# Altium PCB Motherboard.PcbDoc
Units mil, origin at the board's own origin, x right, y up, seen from the top; angles counter-clockwise.
Board outline 5062.56 x 6140 mil, 4 copper layers (Top Copper Layer, Internal Copper Layer 1, Internal Copper Layer 2, Bottom Copper Layer), stack 62.205 mil thick; 18 components, 97 nets, 236 pads, 56 vias.
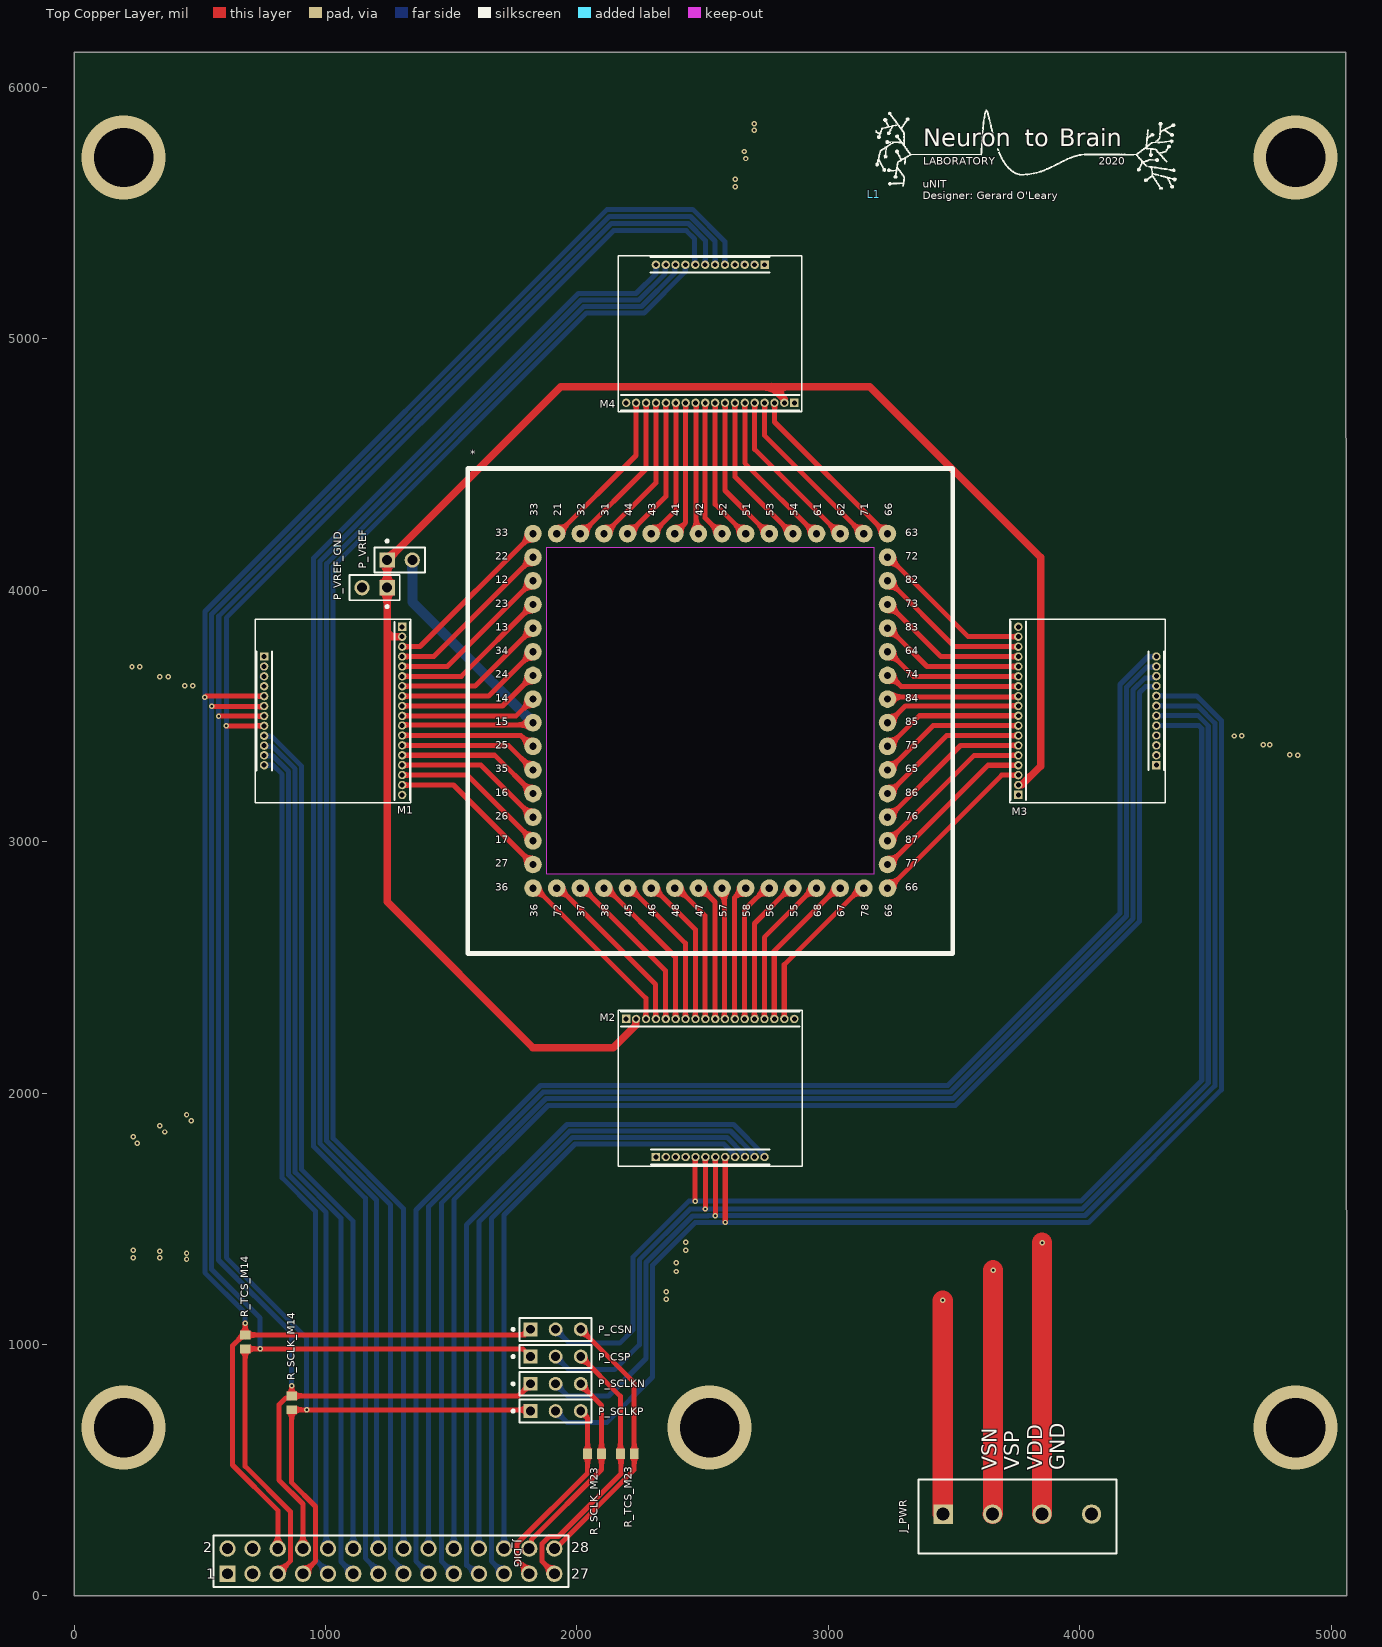
[diagram p0: Top Copper Layer view]
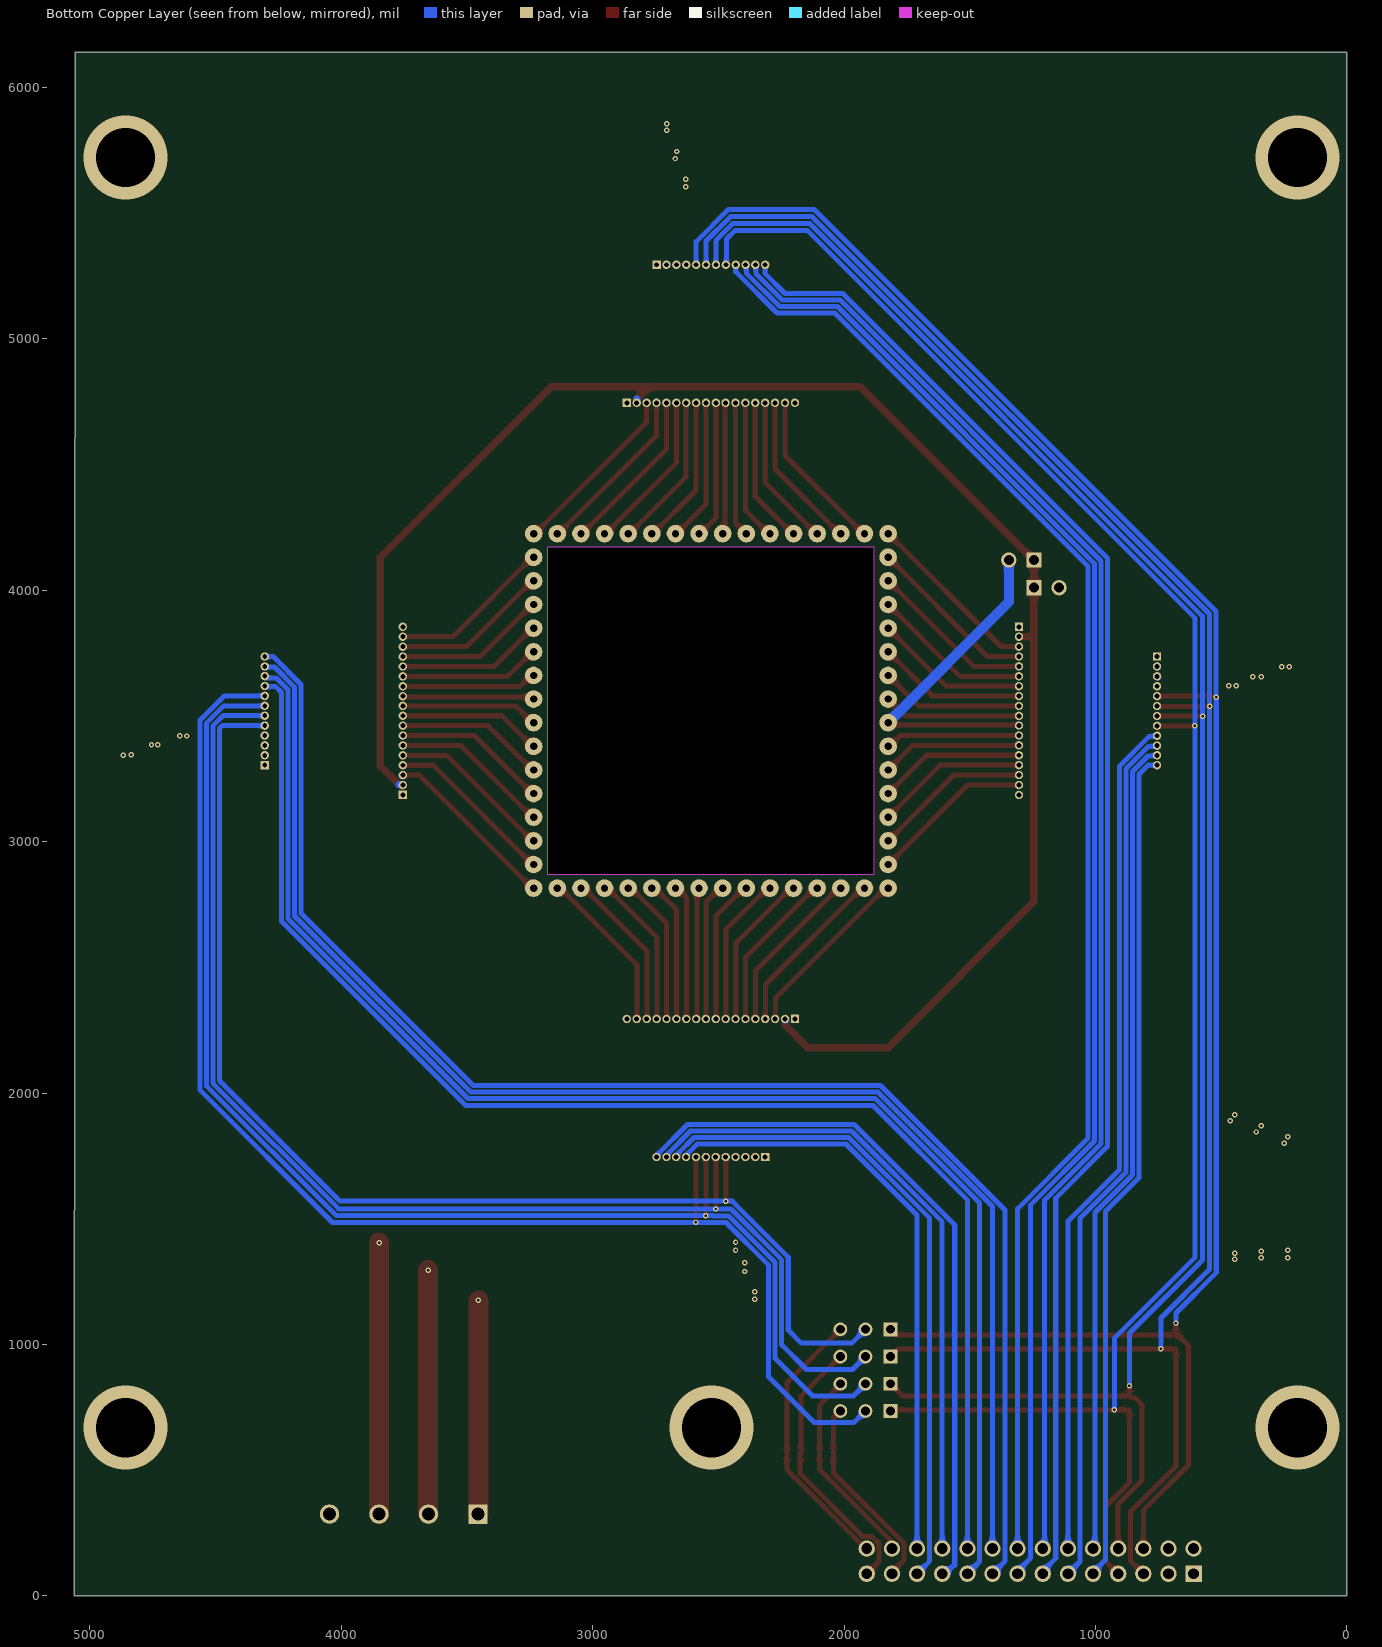
[diagram p1: Bottom Copper Layer view, seen from below]
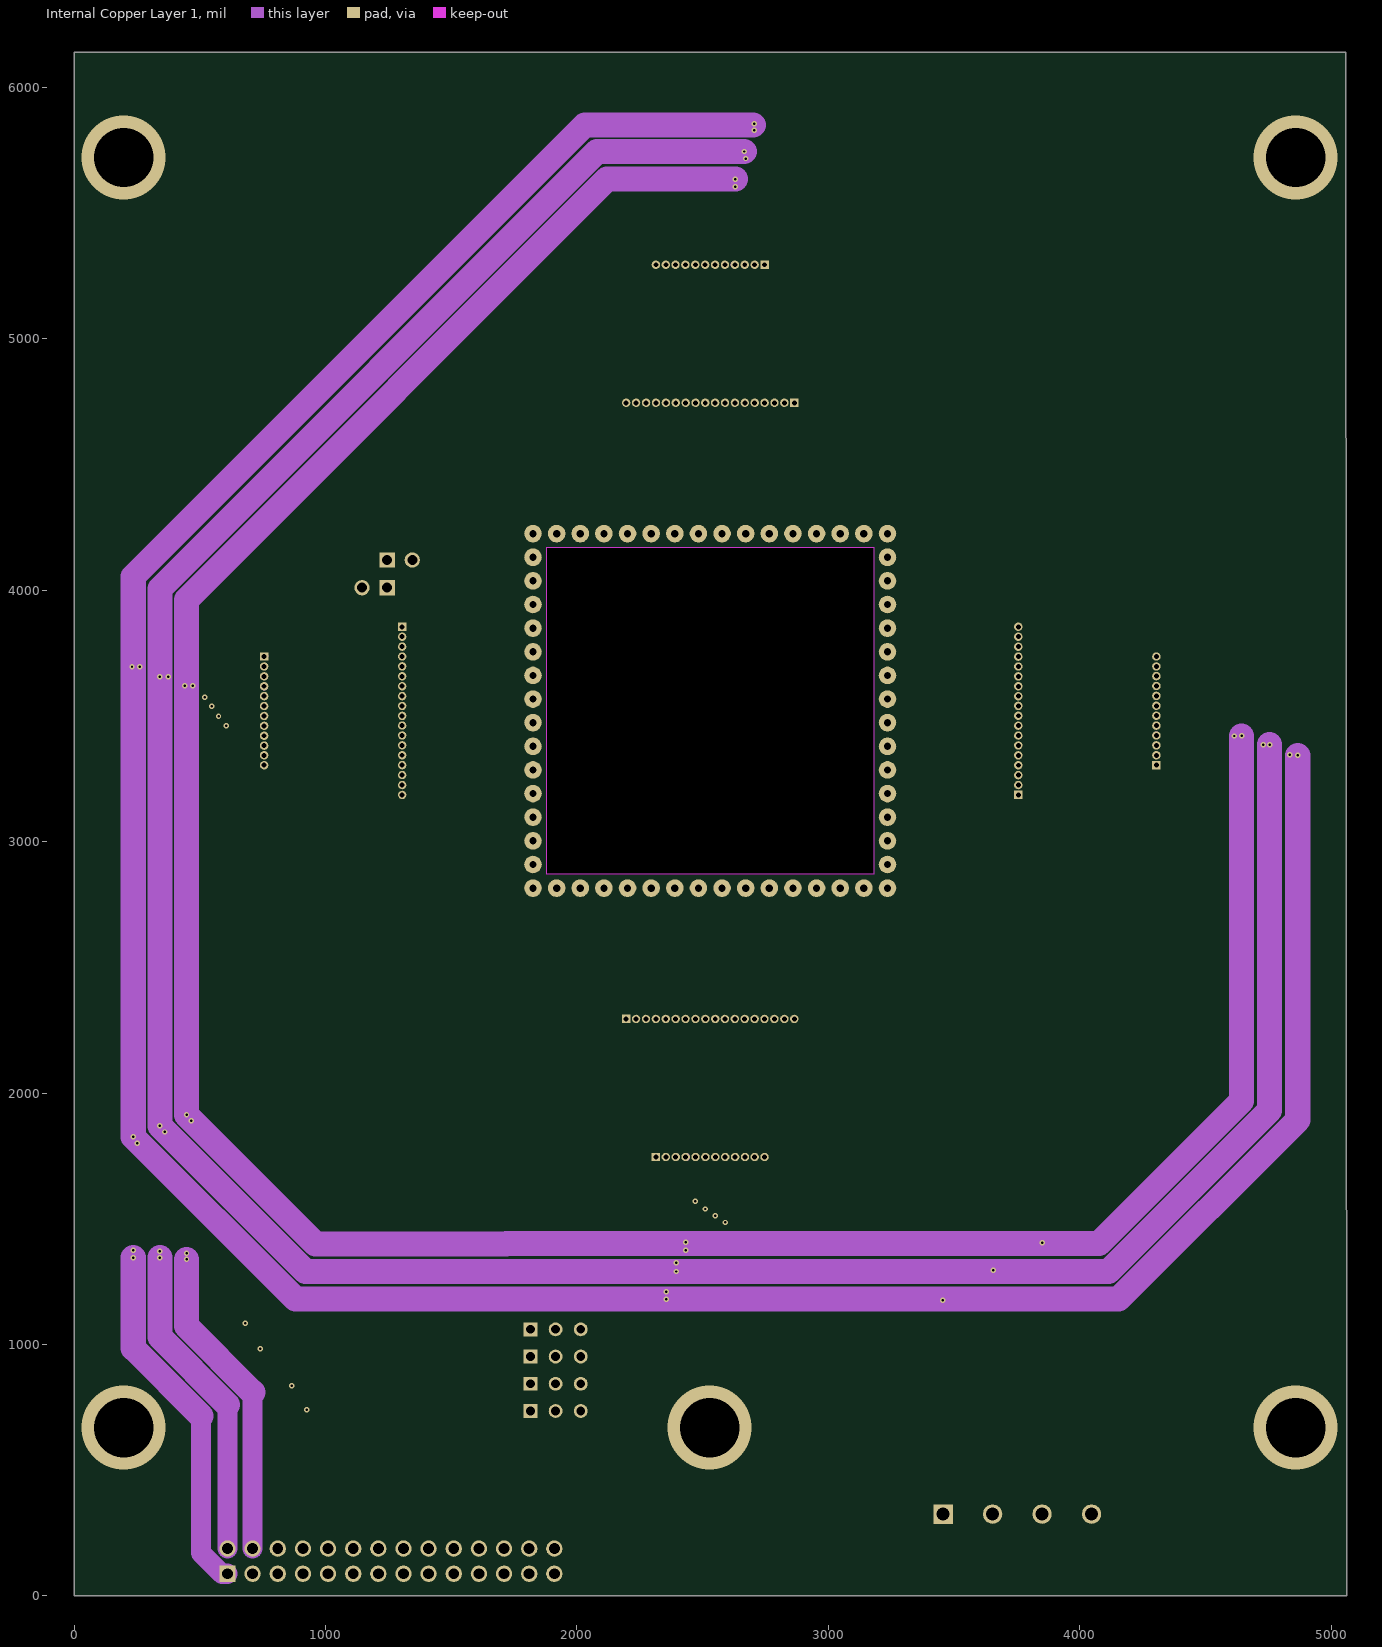
[diagram p2: Internal Copper Layer 1]
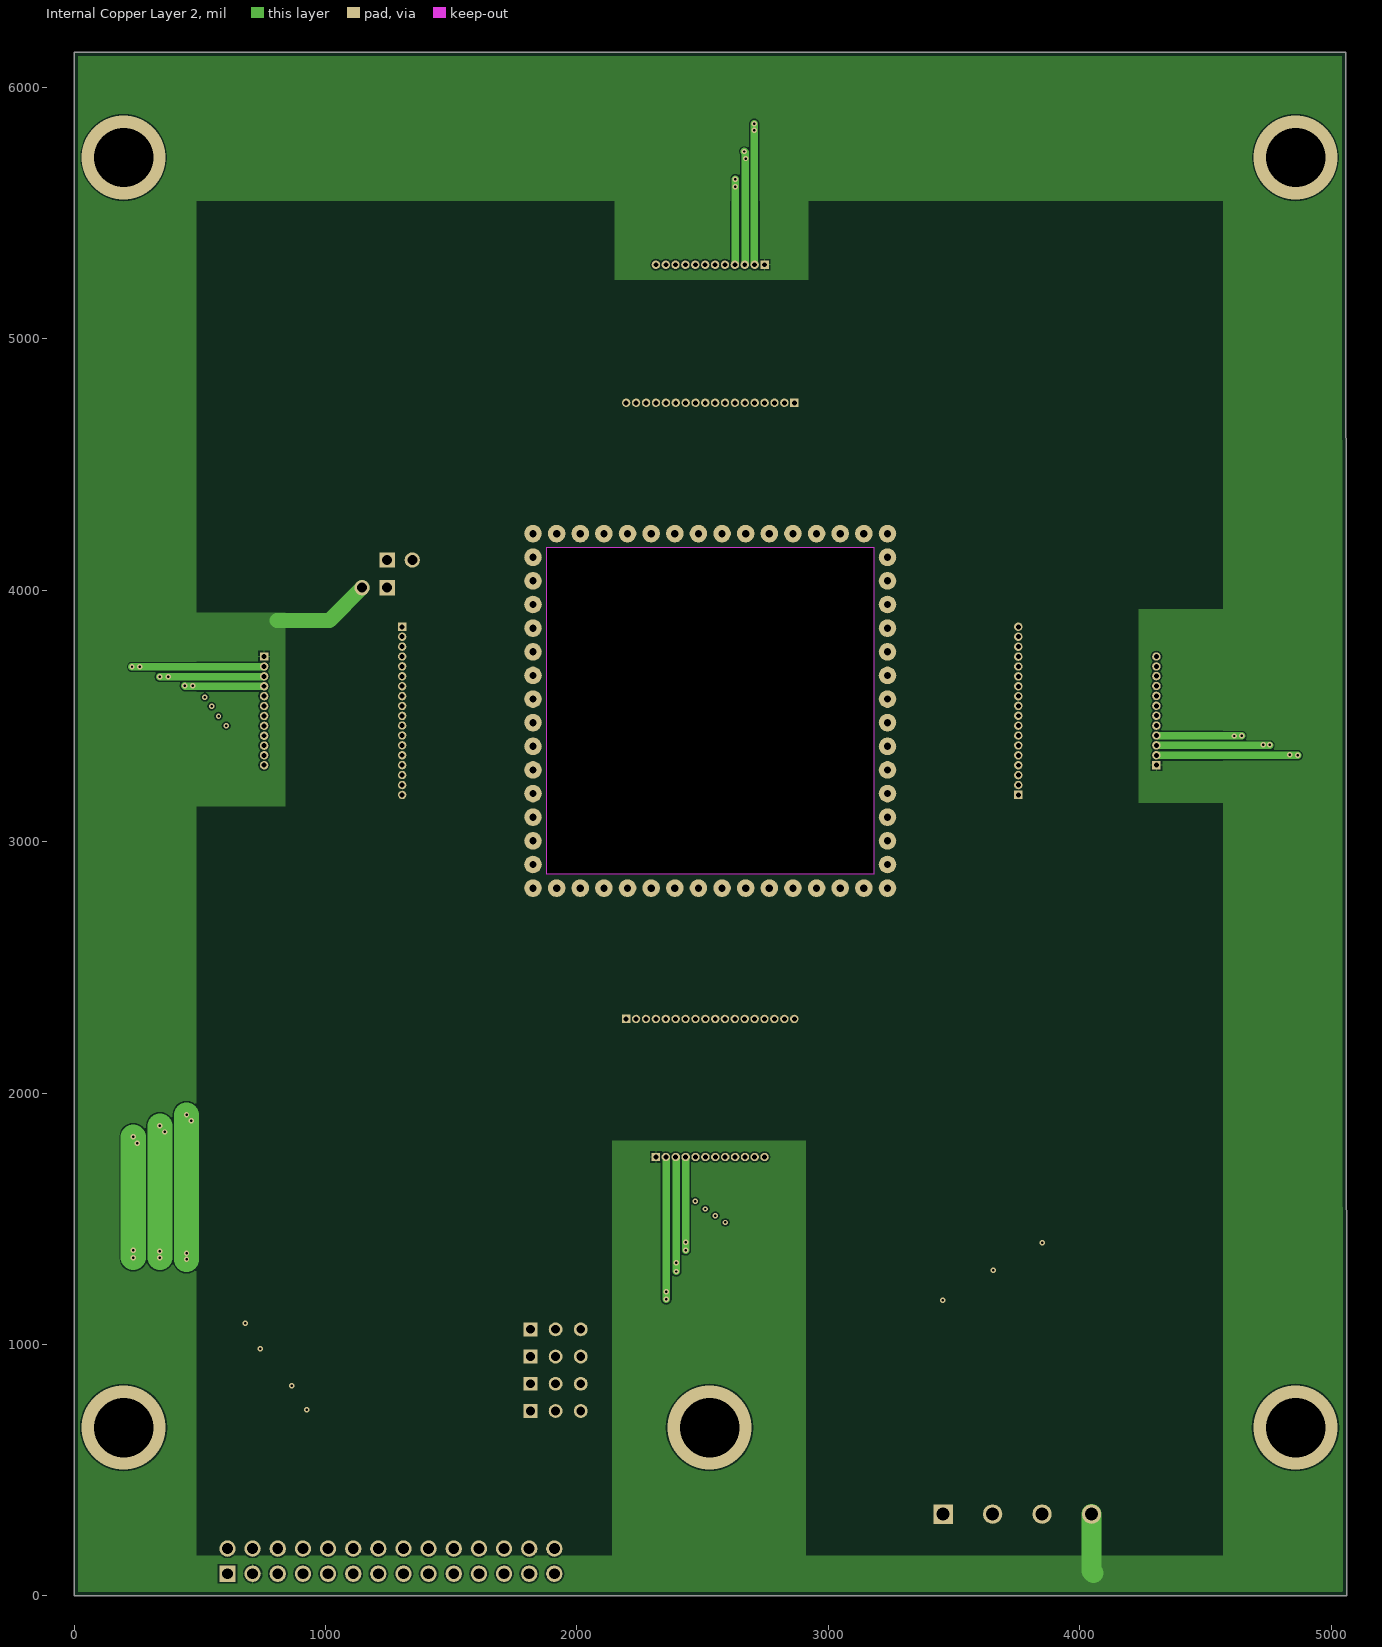
[diagram p3: Internal Copper Layer 2]

## Layer stack, top to bottom
Top Solder: solder mask 0.3937, Solder Resist, Dk 3.5
Top Copper Layer: signal copper 1.378
Dielectric 1: prepreg 8.6614, FR-4, Dk 4.2
Internal Copper Layer 1: signal copper 1.378
Dielectric 2: core 39.3701, FR-4, Dk 4.2
Internal Copper Layer 2: signal copper 1.378
Dielectric 3: prepreg 8.6614, FR-4, Dk 4.2
Bottom Copper Layer: signal copper 1.378
Bottom Solder: solder mask 0.3937, Solder Resist, Dk 3.5

## Board outline
0,0 5062.56,0 5057.45,6140 0,6140
cut-out: 1880,4170 3180,4170 3180,2870 1880,2870

## Design rules (kind name [scope] priority, off if disabled: settings)
BoardOutlineClearance [All] p1: gap=15.75 ignorepadtopadclearanceinfootprint=FALSE
Clearance [All] p1: gap=4 ignorepadtopadclearanceinfootprint=TRUE
ComponentClearance [All] p1: gap=5.91 collisioncheckmode=3 verticalgap=5.91 showdistances=FALSE
HoleSize [All] p1: absolutevalues=TRUE maxlimit=15.75 minlimit=9.84 maxpercent=80.000 minpercent=20.000
HoleToHoleClearance [All] p1: gap=17.72 allowstackedmicrovias=TRUE
MinimumAnnularRing [All] p1: minimumring=5.91
MinimumSolderMaskSliver [All] p1: minsoldermaskwidth=5.91
PlaneClearance [All] p1: clearance=5.91
PlaneConnect [All] p1: planeconnectstyle=Relief reliefexpansion=9.84 reliefentries=4 reliefconductorwidth=5.91 reliefairgap=5.91
PolygonConnect [All] p1: connectstyle=Relief reliefconductorwidth=5.91 reliefentries=4 polygonreliefangle="90 Angle" airgapwidth=5.91
RoomDefinition Motherboard [InComponentClass('Motherboard')] p1 off: confinementstyle=ConfineIn formatcopy=TRUE lockcomponents=FALSE outline 0,0 2000,0 2000,1000 0,1000
RoutingVias [All] p1: holewidth=9.84 width=21.65 viastyle="Through Hole" minholewidth=9.84 minwidth=21.65 maxholewidth=15.75 maxwidth=31.5
SilkToSilkClearance [All] p1: silktosilkclearance=7.87
SilkToSolderMaskClearance [IsPad] p1: minsilkscreentomaskgap=7.87 clearancetoexposedcopper=TRUE
SolderMaskExpansion [All] p1: expansion=5.91 istentingtop=FALSE
Width [All] p1: maxlimit=1968.5 minlimit=5.91 preferedwidth=5.91
22 further rules are at their usual default settings.

## Components (designator, comment, footprint, x,y, rotation, side; value= is the part's Value field where it differs from the comment)
* "POGO_PINS" POGO_PINS 2530,3520 r0 top
J_DIG "61302821121" 61302821121 1259.84,137.8 r0 top
J_PWR "691137710004" 691137710004 3751.57,315.16 r0 top
L1 "Logo" N2BL_Logo 3180,5575 r0 top
M1 "Intan_RHS2116_Module" INTAN_RHS2116_MODULE 1030,3520 r270 top
M2 "Intan_RHS2116_Module" INTAN_RHS2116_MODULE 2530,2020 r0 top
M3 "Intan_RHS2116_Module" INTAN_RHS2116_MODULE 4030,3520 r90 top
M4 "Intan_RHS2116_Module" INTAN_RHS2116_MODULE 2530,5020 r180 top
P_CSN "87224-3" TECO-87224-3_V 1915,1060 r0 top
P_CSP "87224-3" TECO-87224-3_V 1915,951.67 r0 top
P_SCLKN "87224-3" TECO-87224-3_V 1915,843.33 r0 top
P_SCLKP "87224-3" TECO-87224-3_V 1915,735 r0 top
P_VREF "TSW-102-07-S-S" SMTC-TSW-102-07-S-S 1295,4120 r0 top
P_VREF_GND "TSW-102-07-S-S" SMTC-TSW-102-07-S-S 1195,4010 r180 top
R_SCLK_M14 "CRCW0603100RFKEA" RESC1609X50X30ML8T20 865,767.56 r270 top
R_SCLK_M23 "CRCW0603100RFKEA" RESC1609X50X30ML8T20 2070,565 r180 top
R_TCS_M14 "CRCW0603100RFKEA" RESC1609X50X30ML8T20 680,1010 r270 top
R_TCS_M23 "CRCW0603100RFKEA" RESC1609X50X30ML8T20 2200,565 r180 top

## Footprints (in the part's own frame and the unit in brackets; to place one, negate y for a bottom-side part, rotate by r counter-clockwise, add the part's x,y. Pads: shape width x height; smd on the part's side, far side on the other; paste and mask are expansions set on the pad)
61302821121 [mm] "Pin Header, pitch 2.54 mm, THT, Vertical, dual row, 28p"
  rect 1.65x1.65 hole 1.1: 1(-16.51,-1.27)
  round 1.65 hole 1.1: 2(-16.51,1.27) 3(-13.97,-1.27) 4(-13.97,1.27) 5(-11.43,-1.27) 6(-11.43,1.27) 7(-8.89,-1.27) 8(-8.89,1.27) 9(-6.35,-1.27) 10(-6.35,1.27) 11(-3.81,-1.27) 12(-3.81,1.27) 13(-1.27,-1.27) 14(-1.27,1.27) 15(1.27,-1.27) 16(1.27,1.27) 17(3.81,-1.27) 18(3.81,1.27) 19(6.35,-1.27) 20(6.35,1.27) 21(8.89,-1.27) 22(8.89,1.27) 23(11.43,-1.27) 24(11.43,1.27) 25(13.97,-1.27) 26(13.97,1.27) 27(16.51,-1.27) 28(16.51,1.27)
  silkscreen extent -17.93,-2.62 17.93,2.62, body extent -17.78,-2.54 17.78,2.54, height 8.59
691137710004 [mm] "Horizontal Cable Entry with Pressure Clamp, pitch 5mm, 04p"
  rect 1.95x1.95 hole 1.3: 1(-7.5,0.25)
  round 1.95 hole 1.3: 2(-2.5,0.25) 3(2.5,0.25) 4(7.5,0.25)
  silkscreen extent -10,-3.75 10,3.75, body extent -10,-3.75 10,3.75, height 11.6
INTAN_RHS2116_MODULE [mm]
  rect 0.85x0.85 hole 0.5: 1(-5.488,-6.974) 13(-8.494,6.975)
  round 0.85 hole 0.5: 2(-4.488,-6.974) 3(-3.488,-6.974) 4(-2.488,-6.974) 5(-1.488,-6.974) 6(-0.488,-6.974) 7(0.512,-6.974) 8(1.512,-6.974) 9(2.512,-6.974) 10(3.512,-6.974) 11(4.489,-6.974) 12(5.489,-6.974) 14(-7.494,6.975) 15(-6.494,6.975) 16(-5.494,6.975) 17(-4.494,6.975) 18(-3.494,6.975) 19(-2.494,6.975) 20(-1.494,6.975) 21(-0.494,6.975) 22(0.506,6.975) 23(1.483,6.975) 24(2.483,6.975) 25(3.483,6.975) 26(4.483,6.975) 27(5.483,6.975) 28(6.483,6.975) 29(7.494,6.975) 30(8.494,6.975)
  Top Copper Layer lines w0.254: 1.483,6.813 1.483,6.975 ; -0.38,6.86 -0.494,6.975 ; 4.483,6.884 4.483,6.975 ; 5.463,6.955 5.483,6.975
  Top Copper Layer lines w0.381: 3.557,-6.974 3.526,-6.944 ; 1.557,-6.974 1.467,-6.885 ; 0.557,-6.974 0.467,-6.885 ; -0.443,-6.974 -0.443,-6.892 ; -1.443,-6.974 -1.443,-6.892
  Internal Copper Layer 1 lines w0.635: -3.443,-6.974 -3.443,-6.916 ; -4.443,-6.974 -4.484,-6.933 ; -5.443,-6.974 -5.551,-6.867
  Internal Copper Layer 1 lines w0.762: -2.443,-6.974 -2.46,-6.958
  silkscreen extent -9.27,-7.88 9.27,7.86, body extent -9.27,-7.88 9.27,7.86, height 3.2
N2BL_Logo [mil] "Example template footprint"
  silkscreen extent 8,19 1205,335
POGO_PINS [mil]
  round 70 hole 29: 12(-705,517) 13(-705,329) 14(-705,47) 15(-705,-47) 16(-705,-329) 17(-705,-517) 21(-611,705) 22(-705,611) 23(-705,423) 24(-705,141) 25(-705,-141) 26(-705,-423) 27(-705,-611) 28(-611,-705) 31(-423,705) 32(-517,705) 33(-705,705) 34(-705,235) 35(-705,-235) 36(-705,-705) 37(-517,-705) 38(-423,-705) 41(-141,705) 42(-47,705) 43(-235,705) 44(-329,705) 45(-329,-705) 46(-235,-705) 47(-47,-705) 48(-141,-705) 51(141,705) 52(47,705) 53(235,705) 54(329,705) 55(329,-705) 56(235,-705) 57(47,-705) 58(141,-705) 61(423,705) 62(517,705) 63(705,705) 64(705,235) 65(705,-235) 66(705,-705) 67(517,-705) 68(423,-705) 71(611,705) 72(705,611) 73(705,423) 74(705,141) 75(705,-141) 76(705,-423) 77(705,-611) 78(611,-705) 82(705,517) 83(705,329) 84(705,47) 85(705,-47) 86(705,-329) 87(705,-517)
  silkscreen extent -965,-965 965,965, body extent -741,-741 741,741, height 87
RESC1609X50X30ML8T20 [mm] "Chip Resistor, 2-Leads, Body 1.65x0.95mm, IPC Low Density"
  rect 0.9x1.05 smd: 1(-0.7,0) 2(0.7,0)
  body extent -0.82,-0.48 0.82,0.48, height 0.5
SMTC-TSW-102-07-S-S [mm] "Header, 2-Leads, Body 5.08x2.54mm, Pitch 2.54mm"
  rect 1.55x1.55 hole 1.02: 1(-1.27,0)
  round 1.55 hole 1.02: 2(1.27,0)
  silkscreen extent -2.54,-1.27 2.54,2.04, body extent -2.54,-1.27 2.67,1.27, height 8.38
TECO-87224-3_V [mm] "THD, 3-Leads, Body 7.21x2.31mm, Pitch 2.54mm"
  rect 1.4x1.4 hole 0.889: 1(-2.54,0)
  round 1.4 hole 0.889: 2(0,0) 3(2.54,0)
  silkscreen extent -4.41,-1.17 3.64,1.17, body extent -3.61,-1.17 3.61,1.17, height 10.36

## Part data
J_DIG: library part CMP-1502-01115-1, "THT Vertical Pin Header WR-PHD, Pitch 2.54 mm, Dual Row, 28 pins", Contact Resistance=20mOhm, Manufacturer="Wurth Elektronik", Operating Temperature=-40to105degC, Rated Current=3A, Withstanding Voltage=500VAC, Working Voltage=250VAC, Datasheet URL=https://katalog.we-online.de/em/datasheet/6130xx21121.pdf, Gender=Male, Manufacturer URL=http://www.we-online.de, Mounting Technology=THT, Orientation=Vertical, Package Reference=61302821121, Packaging=Bag, Part Number=61302821121, Pin Number=28, Pitch=2.54mm, Publisher=WurthElektronik, Row Number=Dual
J_PWR: library part CMP-1502-03326-1, "Series 1377 - 5.00 mm Horizontal Entry with Pressure Clamp WR-TBL, 4 pin", Manufacturer="Wurth Elektronik", Operating Temperature=-30to120degC, Datasheet URL=http://katalog.we-online.de/pbs/datasheet/691137710004.pdf, Manufacturer URL=http://www.we-online.de, Mounting Technology=THT, Package Reference=691137710004, Packaging=Box, Part Number=691137710004, Pin Number=4, Pitch=5.00mm, Publisher=WurthElektronik
L1: library part "Neuron To Brain Lab Logo"
P_CSN P_CSP P_SCLKN P_SCLKP: library part CMP-2000-05697-1, "Male Header, Pitch 2.54 mm, 1 x 3 Position, Height 10.744 mm, Tail Length 3.175 mm, -65 to 105 degC, RoHS, Bulk", Color=Black, Manufacturer="TE Connectivity", Package Description="Male Header, Pitch 2.54 mm, 1 x 3 Position, Height 10.744 mm, Tail Length 3.175 mm", Standard Package=520, 3D Model=87224-3.pdf, Catalog Drawings="SingleSquareStraightPost /  / SingleSquareStraightPostSide", Category=Connectors,Interconnects, Connector Type=Header,Unshrouded, Contact Finish=Gold, Contact Finish Thickness=15µin(0.38µm), Contact Mating Length="0.318\"(8.08mm)", Contact Type=MalePin, Datasheet URL=http://www.te.com/commerce/DocumentDelivery/DDEController?Action=showdoc&DocId=Customer+Drawing%7F87224%7FL3%7Fpdf%7FEnglish%7FENG_CD_87224_L3.pdf%7F87224-3, Datasheet Version="Rev. L3, 08/2015", Dynamic Catalog=AMPMODUModIISeries, Family=RectangularConnectors-Headers,MalePins, Featured Product=AMPMODUConnectors, Manufacturer URL=http://www.te.com/, Mating Products="147738-2-ND / -CONNRCPT3POSVERTSMDGOLD / 147723-2-ND / -CONNRCPT3POSVERT.100GOLD / 146763-5-ND / -CONNRCPT3POSSGLVERT.100T/H / A32904-ND / -CONNRECEPT3POS.100VERTGOLD / A26922-ND / -CONNHOUSING3POS.100LOCKING / A26415-ND / -CONNRECEPT3POS.100VERTAU / A26964-ND / -CONNHOUSING3POS.100SINGLE / A3012-ND / -CONNHOUSING3POS.100SINGLE", Mounting Technology=ThroughHole, Mounting Type=ThroughHole, Number of Positions=3, Number of Positions Loaded=All, Number Of Rows=1, Other Names="87224-3-ND / A26545", Package Reference=87224-3, Packaging=Bulk, Pitch="0.100\"(2.54mm)", RoHS Information=87224-3StatementofCompliance, Series=AMPMODUModII, Termination=Solder
P_VREF P_VREF_GND: library part CMP-1681-00004-4, "Male Header, Pitch 2.54 mm, 1 x 2 Position, Height 8.38 mm, Tail Length 2.54 mm, -55 to 125 degC, RoHS, Bulk", Colour=Black, Manufacturer=Samtec, Max Operating Temperature="125 degC", Min Operating Temperature="-55 degC", Package Quantity=1, ComponentLink1Description="Manufacturer URL", ComponentLink1URL=http://www.samtec.com/, ComponentLink2Description=Datasheet, ComponentLink2URL=http://suddendocs.samtec.com/catalog_english/tsw_th.pdf, Contact Finish=Gold, Contact Material=Bronze, Contact Plating=Gold, DatasheetVersion=12/2015, Height="8.38 mm", Lead Pitch="0.1 inch", Length="5.08 mm", Mount="Through Hole", Mounting Technology="Through Hole", PackageDescription="Male Header, Pitch 2.54 mm, 1 x 2 Position, Height 8.38 mm, Tail Length 2.54 mm", PackageReference=TSW-102-07-S-S, Packaging=Bulk, Pins=2, REACH SVHC="No SVHC", RoHSCompliant=true, Rows=1
R_SCLK_M14 R_SCLK_M23 R_TCS_M14 R_TCS_M23: library part CMP-1666-00008-4, "Chip Resistor, 100 Ohm, +/- 1%, 100 mW,-55 to 155 degC, 0603 (1608 Metric), RoHS, Tape and Ree", Manufacturer="Vishay Semiconductor", ComponentLink1Description="Manufacturer URL", ComponentLink1URL=http://www.vishay.com/, ComponentLink2Description=Datasheet, ComponentLink2URL=http://www.vishay.com/docs/20035/dcrcwe3.pdf, DatasheetVersion=06/2012, Mounting Technology="Surface Mount", PackageDescription="2-Pin Surface Mount Device, Body 1.575 x 0.85 mm", PackageReference=0603

## Via types
v1: diameter 21.65, hole 9.84, Top Copper Layer to Bottom Copper Layer, 51 vias
v2: diameter 334.65, hole 236.22, Top Copper Layer to Bottom Copper Layer, 5 vias

## Nets (pads, with @x,y where several pads share a name; then routed paths per layer and width w, separated by ;. In a path a pad name is that pad's centre, name@x,y a point inside that pad or via, vN(x,y) a via of type N, cw(c..) or ccw(c..) an arc to the next point about the centre after c; other vN are vias at no path point)
E1_0: *.33 M1.15 | length 706.5
  Top Copper Layer w20: M1.15 1375.68,3775.68 *.33
E1_1: *.22 M1.16 | length 683.9
  Top Copper Layer w20: M1.16 1430.31,3736.31 *.22
E1_2: *.12 M1.17 | length 661.3
  Top Copper Layer w20: M1.17 1484.94,3696.94 *.12
E1_3: *.23 M1.18 | length 638.6
  Top Copper Layer w20: M1.18 1539.57,3657.57 *.23
E1_4: *.13 M1.19 | length 616
  Top Copper Layer w20: M1.19 1594.2,3618.2 *.13
E1_5: *.34 M1.20 | length 593.4
  Top Copper Layer w20: M1.20 1648.83,3578.83 *.34
E1_6: *.24 M1.21 | length 570.8
  Top Copper Layer w20: M1.21 1703.46,3539.46 *.24
E1_7: *.14 M1.22 | length 548.1
  Top Copper Layer w20: M1.22 1758.09,3500.09 *.14
E1_9: *.25 M1.24 | length 538.3
  Top Copper Layer w20: M1.24 1776.33,3422.25 1819.58,3379 *.25
E1_10: *.35 M1.25 | length 561
  Top Copper Layer w20: M1.25 1727.12,3382.88 *.35
E1_11: *.16 M1.26 | length 583.6
  Top Copper Layer w20: M1.26 1672.49,3343.51 *.16
E1_12: *.26 M1.27 | length 606.2
  Top Copper Layer w20: M1.27 1617.86,3304.14 *.26
E1_13: *.17 M1.28 | length 628.8
  Top Copper Layer w20: M1.28 1563.23,3264.77 *.17
E1_14: *.27 M1.29 | length 651.3
  Top Copper Layer w20: M1.29 1509.05,3224.95 *.27
E1_15: M1.30
E2_0: *.36 M2.15 | length 706.5
  Top Copper Layer w20: *.36@1824.33,2826.57 2273.65,2377.25 M2.15@2273.65,2306.15
E2_1: *.28 M2.16 | length 683.9
  Top Copper Layer w20: *.28@1918.33,2826.57 2313.02,2431.88 M2.16@2313.02,2306.15
E2_2: *.37 M2.17 | length 661.3
  Top Copper Layer w20: *.37@2012.33,2826.57 2352.39,2486.51 M2.17@2352.39,2306.15
E2_3: *.38 M2.18 | length 638.6
  Top Copper Layer w20: *.38@2106.33,2826.57 2391.76,2541.14 M2.18@2391.76,2306.15
E2_4: *.45 M2.19 | length 616
  Top Copper Layer w20: *.45@2200.33,2826.57 2431.13,2595.77 M2.19@2431.13,2306.15
E2_5: *.46 M2.20 | length 593.4
  Top Copper Layer w20: *.46@2294.33,2826.57 2470.5,2650.4 M2.20@2470.5,2306.15
E2_6: *.48 M2.21 | length 570.8
  Top Copper Layer w20: *.48@2388.33,2826.57 2509.87,2705.03 M2.21@2509.87,2306.15
E2_7: *.47 M2.22 | length 548.1
  Top Copper Layer w20: *.47@2482.33,2826.57 2549.24,2759.66 M2.22@2549.24,2306.15
E2_8: *.57 M2.23 | length 525.1
  Top Copper Layer w20: *.57 2585.8,2806.2 2585.8,2297.16 M2.23
E2_9: *.58 M2.24 | length 538.3
  Top Copper Layer w20: M2.24@2627.07,2306.15 2627.07,2777.9 2670.33,2821.15 *.58@2670.33,2826.57
E2_10: *.56 M2.25 | length 561
  Top Copper Layer w20: M2.25@2666.44,2306.15 2666.44,2728.68 *.56@2764.33,2826.57
E2_11: *.55 M2.26 | length 583.6
  Top Copper Layer w20: M2.26@2705.81,2306.15 2705.81,2674.05 *.55@2858.33,2826.57
E2_12: *.68 M2.27 | length 606.2
  Top Copper Layer w20: M2.27@2745.18,2306.15 2745.18,2619.42 *.68@2952.33,2826.57
E2_13: *.67 M2.28 | length 628.8
  Top Copper Layer w20: M2.28@2784.55,2306.15 2784.55,2564.79 *.67@3046.33,2826.57
E2_14: *.78 M2.29 | length 651.3
  Top Copper Layer w20: M2.29@2824.37,2306.15 2824.37,2510.62 *.78@3140.33,2826.57
E2_15: M2.30
E3_0: *.66 M3.15 | length 706.5
  Top Copper Layer w20: *.66@3240,2815 3689.32,3264.32 M3.15@3760.41,3264.32
E3_1: *.77 M3.16 | length 683.9
  Top Copper Layer w20: *.77@3240,2909 3634.69,3303.69 M3.16@3760.41,3303.69
E3_2: *.87 M3.17 | length 661.3
  Top Copper Layer w20: *.87@3240,3003 3580.06,3343.06 M3.17@3760.41,3343.06
E3_3: *.76 M3.18 | length 638.6
  Top Copper Layer w20: *.76@3240,3097 3525.43,3382.43 M3.18@3760.41,3382.43
E3_4: *.86 M3.19 | length 616
  Top Copper Layer w20: *.86@3240,3191 3470.8,3421.8 M3.19@3760.41,3421.8
E3_5: *.65 M3.20 | length 593.4
  Top Copper Layer w20: *.65@3240,3285 3416.17,3461.17 M3.20@3760.41,3461.17
E3_6: *.75 M3.21 | length 570.8
  Top Copper Layer w20: *.75@3240,3379 3361.54,3500.54 M3.21@3760.41,3500.54
E3_7: *.85 M3.22 | length 548.1
  Top Copper Layer w20: *.85@3240,3473 3306.91,3539.91 M3.22@3760.41,3539.91
E3_8: *.84 M3.23 | length 525.1
  Top Copper Layer w20: *.84 3243.8,3575.8 3752.84,3575.8 M3.23
E3_9: *.74 M3.24 | length 538.3
  Top Copper Layer w20: *.74@3240,3661 3245.42,3661 3288.67,3617.75 M3.24@3760.41,3617.75
E3_10: *.64 M3.25 | length 561
  Top Copper Layer w20: *.64@3240,3755 3337.88,3657.12 M3.25@3760.41,3657.12
E3_11: *.83 M3.26 | length 583.6
  Top Copper Layer w20: *.83@3240,3849 3392.51,3696.49 M3.26@3760.41,3696.49
E3_12: *.73 M3.27 | length 606.2
  Top Copper Layer w20: *.73@3240,3943 3447.14,3735.86 M3.27@3760.41,3735.86
E3_13: *.82 M3.28 | length 628.8
  Top Copper Layer w20: *.82@3240,4037 3501.77,3775.23 M3.28@3760.41,3775.23
E3_14: *.72 M3.29 | length 651.3
  Top Copper Layer w20: *.72@3240,4131 3555.95,3815.05 M3.29@3760.41,3815.05
E3_15: M3.30
E4_0: *.63 M4.15 | length 706.5
  Top Copper Layer w20: M4.15@2785.68,4740.41 2785.68,4669.32 *.63@3235,4220
E4_1: *.71 M4.16 | length 683.9
  Top Copper Layer w20: M4.16@2746.31,4740.41 2746.31,4614.69 *.71@3141,4220
E4_2: *.62 M4.17 | length 661.3
  Top Copper Layer w20: M4.17@2706.94,4740.41 2706.94,4560.06 *.62@3047,4220
E4_3: *.61 M4.18 | length 638.6
  Top Copper Layer w20: M4.18@2667.57,4740.41 2667.57,4505.43 *.61@2953,4220
E4_4: *.54 M4.19 | length 616
  Top Copper Layer w20: M4.19@2628.2,4740.41 2628.2,4450.8 *.54@2859,4220
E4_5: *.53 M4.20 | length 593.4
  Top Copper Layer w20: M4.20@2588.83,4740.41 2588.83,4396.17 *.53@2765,4220
E4_6: *.51 M4.21 | length 570.8
  Top Copper Layer w20: M4.21@2549.46,4740.41 2549.46,4341.54 *.51@2671,4220
E4_7: *.52 M4.22 | length 548.1
  Top Copper Layer w20: M4.22@2510.09,4740.41 2510.09,4286.91 *.52@2577,4220
E4_8: *.42 M4.23 | length 525.1
  Top Copper Layer w20: M4.23 2474.2,4742.84 2474.2,4233.8 *.42
E4_9: *.41 M4.24 | length 538.3
  Top Copper Layer w20: *.41@2389,4220 2389,4225.42 2432.25,4268.67 M4.24@2432.25,4740.41
E4_10: *.43 M4.25 | length 561
  Top Copper Layer w20: *.43@2295,4220 2392.88,4317.88 M4.25@2392.88,4740.41
E4_11: *.44 M4.26 | length 583.6
  Top Copper Layer w20: *.44@2201,4220 2353.51,4372.51 M4.26@2353.51,4740.41
E4_12: *.31 M4.27 | length 606.2
  Top Copper Layer w20: *.31@2107,4220 2314.14,4427.14 M4.27@2314.14,4740.41
E4_13: *.32 M4.28 | length 628.8
  Top Copper Layer w20: *.32@2013,4220 2274.77,4481.77 M4.28@2274.77,4740.41
E4_14: *.21 M4.29 | length 651.3
  Top Copper Layer w20: *.21@1919,4220 2234.95,4535.95 M4.29@2234.95,4740.41
E4_15: M4.30
GND: J_DIG.3 J_PWR.4 M1.1 M2.1 M3.1 M4.1 P_VREF_GND.2 | length 630.3
  Internal Copper Layer 2 w60: 806.91,3880 1015,3880 P_VREF_GND.2
  Internal Copper Layer 2 w80: J_PWR.4 4046.85,98.15 4055,90
M1_MISON: J_DIG.10 M1.11 | length 3304
  Top Copper Layer w20: M1.11@751.77,3343.29 M1.11
  Bottom Copper Layer w20: M1.11 757.99,3340.71 790.92,3340.71 853.19,3278.45 853.19,1673.54 1002.25,1524.48 1002.25,175.24 J_DIG.10@1009.84,167.65
M1_MISOP: J_DIG.9 M1.12 | length 3342.4
  Bottom Copper Layer w20: M1.12 791.08,3303.92 827.28,3267.72 827.28,1662.81 960,1530.09 960,142.88 1009.84,93.04 J_DIG.9
M1_MOSIN: J_DIG.12 M1.9 | length 3396.8
  Bottom Copper Layer w20: M1.9 757.99,3418.55 786.36,3418.55 905,3299.91 905,1695 1109.84,1490.16 J_DIG.12
M1_MOSIP: J_DIG.11 M1.10 | length 3457.9
  Bottom Copper Layer w20: M1.10@755.41,3379.18 789.1,3379.18 879.09,3289.18 879.09,1684.27 1061.46,1501.91 1061.46,136.18 J_DIG.11
M2_MISON: J_DIG.22 M2.11 | length 2600
  Bottom Copper Layer w20: J_DIG.22@1610,181.95 1610,1488.36 1970.73,1849.09 2610.72,1849.09 2700.89,1758.93 2700.89,1754.88 2706.71,1749.06 M2.11
M2_MISOP: J_DIG.21 M2.12 | length 2824
  Bottom Copper Layer w20: J_DIG.21 1597.68,87.8 1564.9,120.57 1560,120.57 1560,1475 1960,1875 2623.28,1875 2739.35,1758.93 2739.35,1755.79 M2.12@2746.33,1748.81
M2_MOSIN: J_DIG.24 M2.9 | length 2388.6
  Bottom Copper Layer w20: J_DIG.24 1710,187.95 1710,1515.09 1992.19,1797.28 2583.79,1797.28 2622.15,1758.93 2622.15,1755.79 2628.88,1749.06 M2.9
M2_MOSIP: J_DIG.23 M2.10 | length 2608.9
  Bottom Copper Layer w20: J_DIG.23 1660,137.64 1660,1501.73 1981.46,1823.19 2597.26,1823.19 2661.52,1758.93 2661.52,1755.79 M2.10@2668.5,1748.81
M3_MISON: J_DIG.18 M3.11 | length 5678.2
  Bottom Copper Layer w20: J_DIG.18 1410,187.95 1410,1548.36 1865.73,2004.09 3485.73,2004.09 4185.91,2704.27 4185.91,3614.27 4265.77,3694.14 4302.01,3694.14 M3.11
M3_MISOP: J_DIG.17 M3.12 | length 5857.2
  Bottom Copper Layer w20: J_DIG.17 1360,137.64 1360,1535 1855,2030 3475,2030 4160,2715 4160,3625 4271.08,3736.08 M3.12
M3_MOSIN: J_DIG.20 M3.9 | length 5561.6
  Bottom Copper Layer w20: J_DIG.20 1510,187.95 1510,1575.09 1884.91,1950 3504.91,1950 4237.72,2682.81 4237.72,3592.81 4261.21,3616.3 4302.01,3616.3 M3.9
M3_MOSIP: J_DIG.19 M3.10 | length 5726.3
  Bottom Copper Layer w20: J_DIG.19 1461.46,136.18 1461.46,1563.18 1876.46,1978.19 3496.46,1978.19 4211.81,2693.54 4211.81,3603.54 4259.79,3651.52 M3.10@4294.21,3651.52
M4_MISON: J_DIG.14 M4.11 | length 5912.7
  Bottom Copper Layer w20: J_DIG.14@1209.84,182.12 1202.25,189.72 1202.25,1574.39 978.19,1798.45 978.19,4116.46 2015.82,5154.09 2245.82,5154.09 2350.71,5258.98 2350.71,5292.01 M4.11
M4_MISOP: J_DIG.13 M4.12 | length 6012.2
  Bottom Copper Layer w20: J_DIG.13 1209.84,97.9 1158.23,149.51 1158.23,1581.77 952.28,1787.72 952.28,4127.19 2005.09,5180 2235.09,5180 2313.92,5258.82 M4.12
M4_MOSIN: J_DIG.16 M4.9 | length 5942.2
  Bottom Copper Layer w20: J_DIG.16@1309.84,183.41 1309.84,1540.07 1030,1819.91 1030,4095 2037.28,5102.28 2267.28,5102.28 2431.12,5266.12 M4.9
M4_MOSIP: J_DIG.15 M4.10 | length 6043
  Top Copper Layer w20: M4.10@2390,5292.83 M4.10
  Bottom Copper Layer w20: J_DIG.15 1309.84,98.54 1258.23,150.15 1258.23,1555.04 1004.09,1809.18 1004.09,4105.73 2026.55,5128.19 2256.55,5128.19 2389.18,5260.81 2389.18,5292.01 M4.10@2390,5292.83
M14_CSN: J_DIG.6 M1.5 M4.5 P_CSN.1 R_TCS_M14.1 | length 8143.7
  Top Copper Layer w20: v1(520,3575) 520.45,3575 524.05,3578.6 M1.5 ; R_TCS_M14.1@670,1035 630,995 630,520 809.84,340.16 J_DIG.6 ; v1(680,1085) R_TCS_M14.1 1792.56,1037.56 P_CSN.1 ; M4.5@2586.82,5291.34 2588.6,5293.12 M4.5
  Bottom Copper Layer w20: v1(680,1085) 680,1125 519.8,1285.2 519.8,3574.8 v1(520,3575) 520,3915 2120,5515 2459.91,5515 2588.6,5386.31 M4.5
M14_CSP: J_DIG.5 M1.6 M4.6 P_CSP.1 R_TCS_M14.2 | length 8143.8
  Top Copper Layer w20: v1@548.34,3536.66 752.84,3536.66 M1.6 ; J_DIG.5 860,137.95 860,335 680,515 R_TCS_M14.2 v1(740,982.44) 1784.23,982.44 P_CSP.1 ; M4.6@2547.45,5291.34 M4.6@2549.23,5293.12
  Bottom Copper Layer w20: v1(740,982.44) 740,1105 546.54,1298.46 v1(546.54,3538.46) 546.73,3538.66 546.73,3905.1 2128.37,5486.73 2451.54,5486.73 2549.23,5389.04 M4.6
M14_SCLKN: J_DIG.8 M1.7 M4.7 P_SCLKN.1 R_SCLK_M14.1 | length 7756.1
  Top Copper Layer w20: v1(574.13,3499.13) 754.69,3499.13 M1.7 ; v1(865,835) R_SCLK_M14.1 ; J_DIG.8 909.84,365.06 815,459.9 815,760 842.4,787.4 857.28,787.4 R_SCLK_M14.1 ; P_SCLKN.1 1766.78,795.12 R_SCLK_M14.1
  Bottom Copper Layer w20: v1(865,835) 865,1045 574.13,1335.87 v1(574.13,3499.13) 574.13,3499.58 575,3500.45 575,3896.73 2136.46,5458.19 2443.45,5458.19 2510.29,5391.34 M4.7@2510.29,5295.02
M14_SCLKP: J_DIG.7 M1.8 M4.8 P_SCLKP.1 R_SCLK_M14.2 | length 7697.3
  Top Copper Layer w20: v1(605,3460) M1.8@739.19,3460 ; J_DIG.7 960,137.95 960,355 865,450 R_SCLK_M14.2 v1(925,740) 1810,740 P_SCLKP.1
  Bottom Copper Layer w20: v1(925,740) 925,1025 605,1345 v1(605,3460) 605,3890.09 2144.91,5430 2435,5430 2467.92,5397.08 M4.8@2467.92,5295.38
M23_CSN: M2.5 M3.5 P_CSN.2 | length 4957.2
  Top Copper Layer w20: v1(2470,1570) 2470.32,1570.32 2470.32,1742.55 M2.5@2473.18,1745.41
  Bottom Copper Layer w20: P_CSN.2 1970,1005 2170,1005 2222.28,1057.28 2222.28,1347.28 2445,1570 v1(2470,1570) 4005,1570 4485,2050 4485,3449.68 4473.28,3461.4 M3.5
M23_CSN_HDR: J_DIG.28 P_CSN.3 R_TCS_M23.1 | length 1094.5
  Top Copper Layer w20: J_DIG.28 1914.43,187.8 2227.56,500.92 R_TCS_M23.1 2227.56,847.44 P_CSN.3
M23_CSP: M2.6 M3.6 P_CSP.2 | length 5140.3
  Top Copper Layer w20: v1(2510,1538.58) 2510,1539.09 2510.32,1539.41 2510.32,1739.19 2511.11,1739.99 2512.55,1739.99 M2.6@2512.55,1745.41
  Bottom Copper Layer w20: P_CSP.2 1966.67,900 2150,900 2248.19,998.19 2248.19,1336.46 2450.31,1538.58 v1(2510,1538.58) 2538.42,1538.58 2538.93,1539.09 4010.73,1539.09 4510.91,2039.27 4510.91,3460.41 4470.55,3500.77 M3.6
M23_CSP_HDR: J_DIG.27 P_CSP.3 R_TCS_M23.2 | length 1100.3
  Top Copper Layer w20: J_DIG.27 1861.46,136.18 1861.46,207.84 1889.8,236.18 1926.18,236.18 2175,485 R_TCS_M23.2@2175,565 ; P_CSP.3 2172.44,794.23 R_TCS_M23.2
M23_SCLKN: M2.7 M3.7 P_SCLKN.2 | length 5319.5
  Top Copper Layer w20: M2.7@2548.39,1743.52 M2.7@2548.39,1748.95 ; v1(2550,1512.36) 2550.07,1512.43 2550.07,1745.34 M2.7@2551.03,1746.3
  Bottom Copper Layer w20: P_SCLKN.2 1963.33,795 2125,795 2274.09,944.09 2274.09,1325.73 2459.27,1510.91 2520.13,1510.91 2521.27,1512.05 2549.68,1512.05 v1(2550,1512.36) 4020.63,1512.36 4536.81,2028.54 4536.81,3471.14 4467.82,3540.14 M3.7
M23_SCLKN_HDR: J_DIG.26 P_SCLKN.3 R_SCLK_M23.1 | length 808.9
  Top Copper Layer w20: J_DIG.26 1818.45,196.4 1818.45,223.45 2097.56,502.56 R_SCLK_M23.1 2097.56,757.44 2015,840 P_SCLKN.3
M23_SCLKP: M2.8 M3.8 P_SCLKP.2 | length 5507.5
  Top Copper Layer w20: M2.8@2587.76,1748.95 2587.76,1743.52 2589.75,1741.52 2589.75,1485.25 v1(2590,1485)
  Bottom Copper Layer w20: P_SCLKP.2 1960,690 2120,690 2300,870 2300,1315 2470,1485 v1(2590,1485) 4035,1485 4562.72,2012.72 4562.72,3481.87 4465.08,3579.51 M3.8
M23_SCLKP_HDR: J_DIG.25 P_SCLKP.3 R_SCLK_M23.2 | length 795
  Top Copper Layer w20: J_DIG.25 1809.84,95.16 1761.46,143.54 1761.46,207.84 2042.44,488.82 R_SCLK_M23.2 2042.44,707.56 P_SCLKP.3
VDD: J_DIG.4 J_PWR.3 M1.4 M2.4 M3.4 M4.4 | length 15297.9
  Top Copper Layer w80: J_PWR.3 v1(3850,1405)
  Internal Copper Layer 1 w80: J_DIG.4 710,187.95 710,809.55
  Internal Copper Layer 1 w100: v1(446.81,1338.19) 446.81,1072.73 710,809.55 ; v1(2630,5635) 2120,5635 446.81,3961.81 v1(446.81,1913.19) 960,1400 1717.5,1400 1718.41,1400.91 4075.91,1400.91 4643.38,1968.38 v1(4643.38,3420.16)
  Internal Copper Layer 2 w30: v1(440,3620) 442.03,3617.97 M1.4 ; v1(2432.03,1375) v1(2432.03,1407.03) M2.4 ; M4.4 2627.97,5295.52 2629.7,5297.26 2629.7,5310.18 2630,5310.47 v1(2630,5605) v1(2630,5635) ; M3.4@4310,3420.16 v1(4643.38,3420.16)
  Internal Copper Layer 2 w100: v1(446.81,1338.19) v1(446.81,1363.19) v1(446.81,1913.19)
  Bottom Copper Layer w30: M3.4 M3.4@4305.52,3422.03
  other v1: 465,1890 4615,3420 470.86,3620.41
VREF: M1.14 M2.14 M3.14 M4.14 P_VREF.1 P_VREF_GND.1 | length 6922
  Top Copper Layer w30: M1.14 1303.92,3815.71 1262.57,3815.71 1245,3833.29 ; M2.14@2233.22,2291.92 2233.22,2269.2 2144.02,2180 1825,2180 1245,2760 1245,3833.29 ; M4.14@2824.39,4746.08 M4.14 ; M4.14@2824.39,4759.93 2774.32,4810 ; M3.14 M3.14@3756.08,3225.61 ; M3.14@3769.93,3225.61 3845,3300.68 3845,4130 3165,4810 2774.32,4810 ; 1245,3833.29 P_VREF_GND.1 P_VREF.1 1935,4810 2774.32,4810
  Bottom Copper Layer w30: M2.14@2233.22,2291.92 2234.95,2293.65 M2.14 ; M4.14@2824.39,4746.08 M4.14@2824.39,4759.93 ; M3.14@3756.08,3225.61 M3.14@3769.93,3225.61
VREF_MEA: *.15 M1.23 P_VREF.2 | length 1370.9
  Top Copper Layer w20: M1.23 1307.16,3464.2 1816.2,3464.2 *.15
  Bottom Copper Layer w40: P_VREF.2 1345,3953 *.15
VSTIMN: J_DIG.1 J_PWR.1 M1.2 M2.2 M3.2 M4.2 | length 17058
  Top Copper Layer w80: v1(3455,1175) 3455,326.3 J_PWR.1
  Internal Copper Layer 1 w80: 505,715 505,170 587.2,87.8 J_DIG.1
  Internal Copper Layer 1 w100: v1(235,1345) 235,985 505,715 ; v1@2700.91,5850.91 2030.91,5850.91 235,4055 v1(235,1825.45) 880.45,1180 v1(2355,1180) 4154.55,1180 4867.12,1892.58 v1(4867.12,3342.88)
  Internal Copper Layer 2 w30: v1(230,3695) M1.2@753.68,3694.98 ; v1(2355,1180) M2.2@2355.02,1743.68 ; v1(2705,5855) 2704.98,5297.26 2706.71,5295.52 M4.2 ; M3.2 4866.71,3343.29 v1(4867.12,3342.88)
  Internal Copper Layer 2 w100: v1(235,1345) v1(235,1825.45)
  Bottom Copper Layer w30: M1.2@753.68,3694.98 M1.2 ; M4.2@2704.98,5296.32 M4.2 ; M3.2 M3.2@4305.25,3343.95
  other v1: 2355,1210 235.04,1375.1 250,1800 4835,3345 260,3695.02 2704.96,5828.6
VSTIMP: J_DIG.2 J_PWR.2 M1.3 M2.3 M3.3 M4.3 | length 16099.6
  Top Copper Layer w80: J_PWR.2 3655,326.85 v1(3655,1295)
  Internal Copper Layer 1 w80: J_DIG.2 610,187.95 610,759.77
  Internal Copper Layer 1 w100: v1(340.91,1345) 340.91,1028.87 610,759.77 ; v1(2665,5745) 2080.23,5745 340.91,4005.68 v1(340.91,1869.32) 920.23,1290 v1(2395,1290) 4114.77,1290 4755,1930.23 v1(4755,3385) v1@4755,3386.78
  Internal Copper Layer 2 w30: v1(340,3655) 374.09,3655 v1(375,3655.91) 588.79,3655.91 589.08,3655.61 752.74,3655.61 754.48,3657.34 M1.3 ; v1@2394.09,1290.91 2394.09,1460.21 ; 2394.39,1460.5 M2.3@2394.39,1743.68 ; v1(2665,5745) 2669.07,5740.93 2669.07,5297.26 2667.34,5295.52 M4.3 ; M3.3 v1@4755,3382.66
  Internal Copper Layer 2 w100: v1(340.91,1345) v1(340.91,1869.32)
  Bottom Copper Layer w30: M1.3@752.74,3655.61 754.48,3657.34 M1.3 ; M4.3@2665.61,5296.32 M4.3 ; M3.3 M3.3@4305.25,3381.99
  other v1: 2395,1325 340,1370 360,1845 4730,3385 2671.4,5717.05
pads on no net: M1.13 M2.13 M3.13 M4.13
copper on no net:
  other v2: 196.85,669.09 2527.56,669.09 4858.27,669.09 196.85,5721.22 4858.27,5721.22

## Polygon pours and split planes (outlines as drawn)
GND on Internal Copper Layer 2 "GND_L03_P007" (solid, pour order 7): 2910,0 2910,1810 2140,1810 2140,0
GND on Internal Copper Layer 2 "GND_L03_P006" (solid, pour order 6): 2920,5235 2920,6060 2150,6060 2150,5235
GND on Internal Copper Layer 2 "GND_L03_P005" (solid, pour order 5): 840,3910 20,3910 20,3140 840,3140
GND on Internal Copper Layer 2 "GND_L03_P004" (solid, pour order 4): 4235,3155 5060,3155 5060,3925 4235,3925
GND on Internal Copper Layer 2 "GND_L03_P003" (solid, pour order 3): 5060,0 5055,5 5055,6140 4570,6140 4570,0
GND on Internal Copper Layer 2 "GND_L03_P001" (solid, pour order 1): 490,0 485,5 485,6140 0,6140 0,0
GND on Internal Copper Layer 2 "GND_L03_P002" (solid, pour order 2): 0,5550 5055,5550 5055,6140 0,6140
GND on Internal Copper Layer 2 "GND_L03_P000" (solid, pour order 0): 0,160 5055,160 5055,0 0,0

## Silkscreen, mask and mechanical layers (free items; w line width, h text height)
Top Overlay:
  text "uNIT / Designer: Gerard O'Leary" at 3375,5555 h30
  text "VSN / VSP / VDD / GND" at 3940,500 h60 r90
Top Courtyard:
  lines w7.8: 5055,6140 0,6140 0,0 5060,0 5060,6140 ; 1880,2870 1880,4170 3180,4170 3180,2870 1880,2870

## Text inside footprints (layer, text, board x,y; h text height)
*: Top Overlay "66" at 3253.5,4294.85 h30 r90; Top Overlay "71" at 3159.5,4294.85 h30 r90; Top Overlay "62" at 3065.5,4294.85 h30 r90; Top Overlay "61" at 2971.5,4294.85 h30 r90; Top Overlay "54" at 2877.5,4294.85 h30 r90; Top Overlay "53" at 2783.5,4294.85 h30 r90; Top Overlay "51" at 2689.5,4294.85 h30 r90; Top Overlay "52" at 2595.5,4294.85 h30 r90; Top Overlay "42" at 2501.5,4294.85 h30 r90; Top Overlay "41" at 2407.5,4294.85 h30 r90; Top Overlay "43" at 2313.5,4294.85 h30 r90; Top Overlay "44" at 2219.5,4294.85 h30 r90; Top Overlay "31" at 2125.5,4294.85 h30 r90; Top Overlay "32" at 2031.5,4294.85 h30 r90; Top Overlay "21" at 1937.5,4294.85 h30 r90; Top Overlay "33" at 1843.5,4294.85 h30 r90; Top Overlay "66" at 3253.5,2699.85 h30 r90; Top Overlay "78" at 3159.5,2699.85 h30 r90; Top Overlay "67" at 3065.5,2699.85 h30 r90; Top Overlay "68" at 2971.5,2699.85 h30 r90; Top Overlay "55" at 2877.5,2699.85 h30 r90; Top Overlay "56" at 2783.5,2699.85 h30 r90; Top Overlay "58" at 2689.5,2699.85 h30 r90; Top Overlay "57" at 2595.5,2699.85 h30 r90; Top Overlay "47" at 2501.5,2699.85 h30 r90; Top Overlay "48" at 2407.5,2699.85 h30 r90; Top Overlay "46" at 2313.5,2699.85 h30 r90; Top Overlay "45" at 2219.5,2699.85 h30 r90; Top Overlay "38" at 2125.5,2699.85 h30 r90; Top Overlay "37" at 2031.5,2699.85 h30 r90; Top Overlay "72" at 1937.5,2699.85 h30 r90; Top Overlay "36" at 1843.5,2699.85 h30 r90; Top Overlay "66" at 3305,2805 h30; Top Overlay "77" at 3305,2899 h30; Top Overlay "87" at 3305,2993 h30; Top Overlay "76" at 3305,3087 h30; Top Overlay "86" at 3305,3181 h30; Top Overlay "65" at 3305,3275 h30; Top Overlay "75" at 3305,3369 h30; Top Overlay "85" at 3305,3463 h30; Top Overlay "84" at 3305,3557 h30; Top Overlay "74" at 3305,3651 h30; Top Overlay "64" at 3305,3745 h30; Top Overlay "83" at 3305,3839 h30; Top Overlay "73" at 3305,3933 h30; Top Overlay "82" at 3305,4027 h30; Top Overlay "72" at 3305,4121 h30; Top Overlay "63" at 3305,4215 h30; Top Overlay "36" at 1675,2805 h30; Top Overlay "27" at 1675,2899 h30; Top Overlay "17" at 1675,2993 h30; Top Overlay "26" at 1675,3087 h30; Top Overlay "16" at 1675,3181 h30; Top Overlay "35" at 1675,3275 h30; Top Overlay "25" at 1675,3369 h30; Top Overlay "15" at 1675,3463 h30; Top Overlay "14" at 1675,3557 h30; Top Overlay "24" at 1675,3651 h30; Top Overlay "34" at 1675,3745 h30; Top Overlay "13" at 1675,3839 h30; Top Overlay "23" at 1675,3933 h30; Top Overlay "12" at 1675,4027 h30; Top Overlay "22" at 1675,4121 h30; Top Overlay "33" at 1675,4215 h30
J_DIG: Top Overlay "28" at 1977.95,173.23 h40; Top Overlay "27" at 1977.95,66.93 h40; Top Overlay "2" at 514.17,173.23 h40; Top Overlay "1" at 525.98,66.93 h40
L1: Top Overlay "LABORATORY" at 3376.85,5683.27 h51.18; Top Overlay "2020" at 4075.67,5683.27 h51.18; Top Overlay "to" at 3780.39,5742.32 h118.11; Top Overlay "Brain" at 3918.19,5742.32 h118.11; Top Overlay "Neuron" at 3376.85,5742.32 h118.11